# Altium PCB Clock-v1.0.PcbDoc (part 1 of 2)
Units mm, origin at the board's own origin, x right, y up, seen from the top; angles counter-clockwise.
Board outline 85 x 65 mm, 2 copper layers (Top Layer, Bottom Layer), stack 1.448 mm thick; 101 components, 70 nets, 411 pads, 177 vias.
Unrouted connection lines stored in the file: 143.
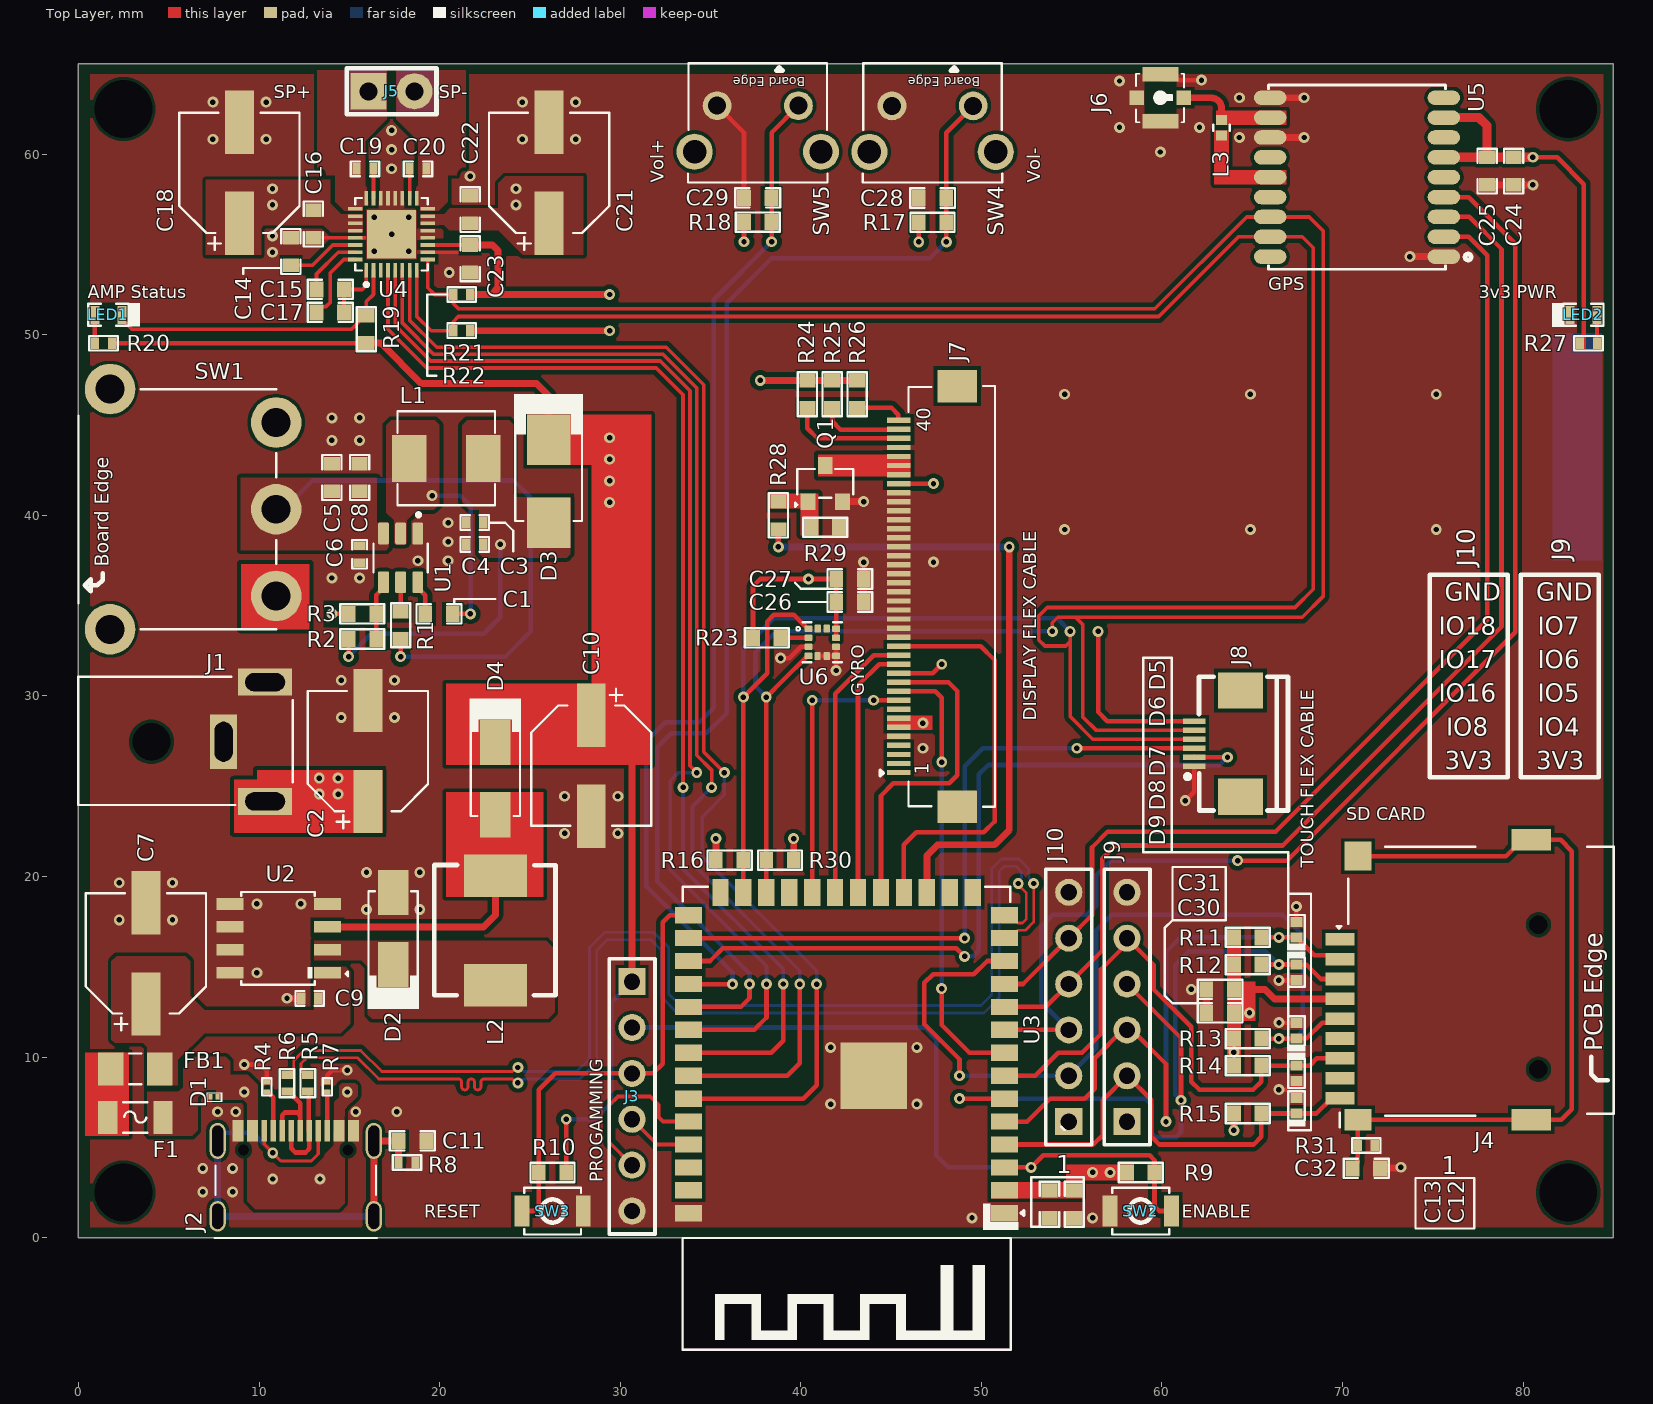
[diagram p0: Top Layer view]
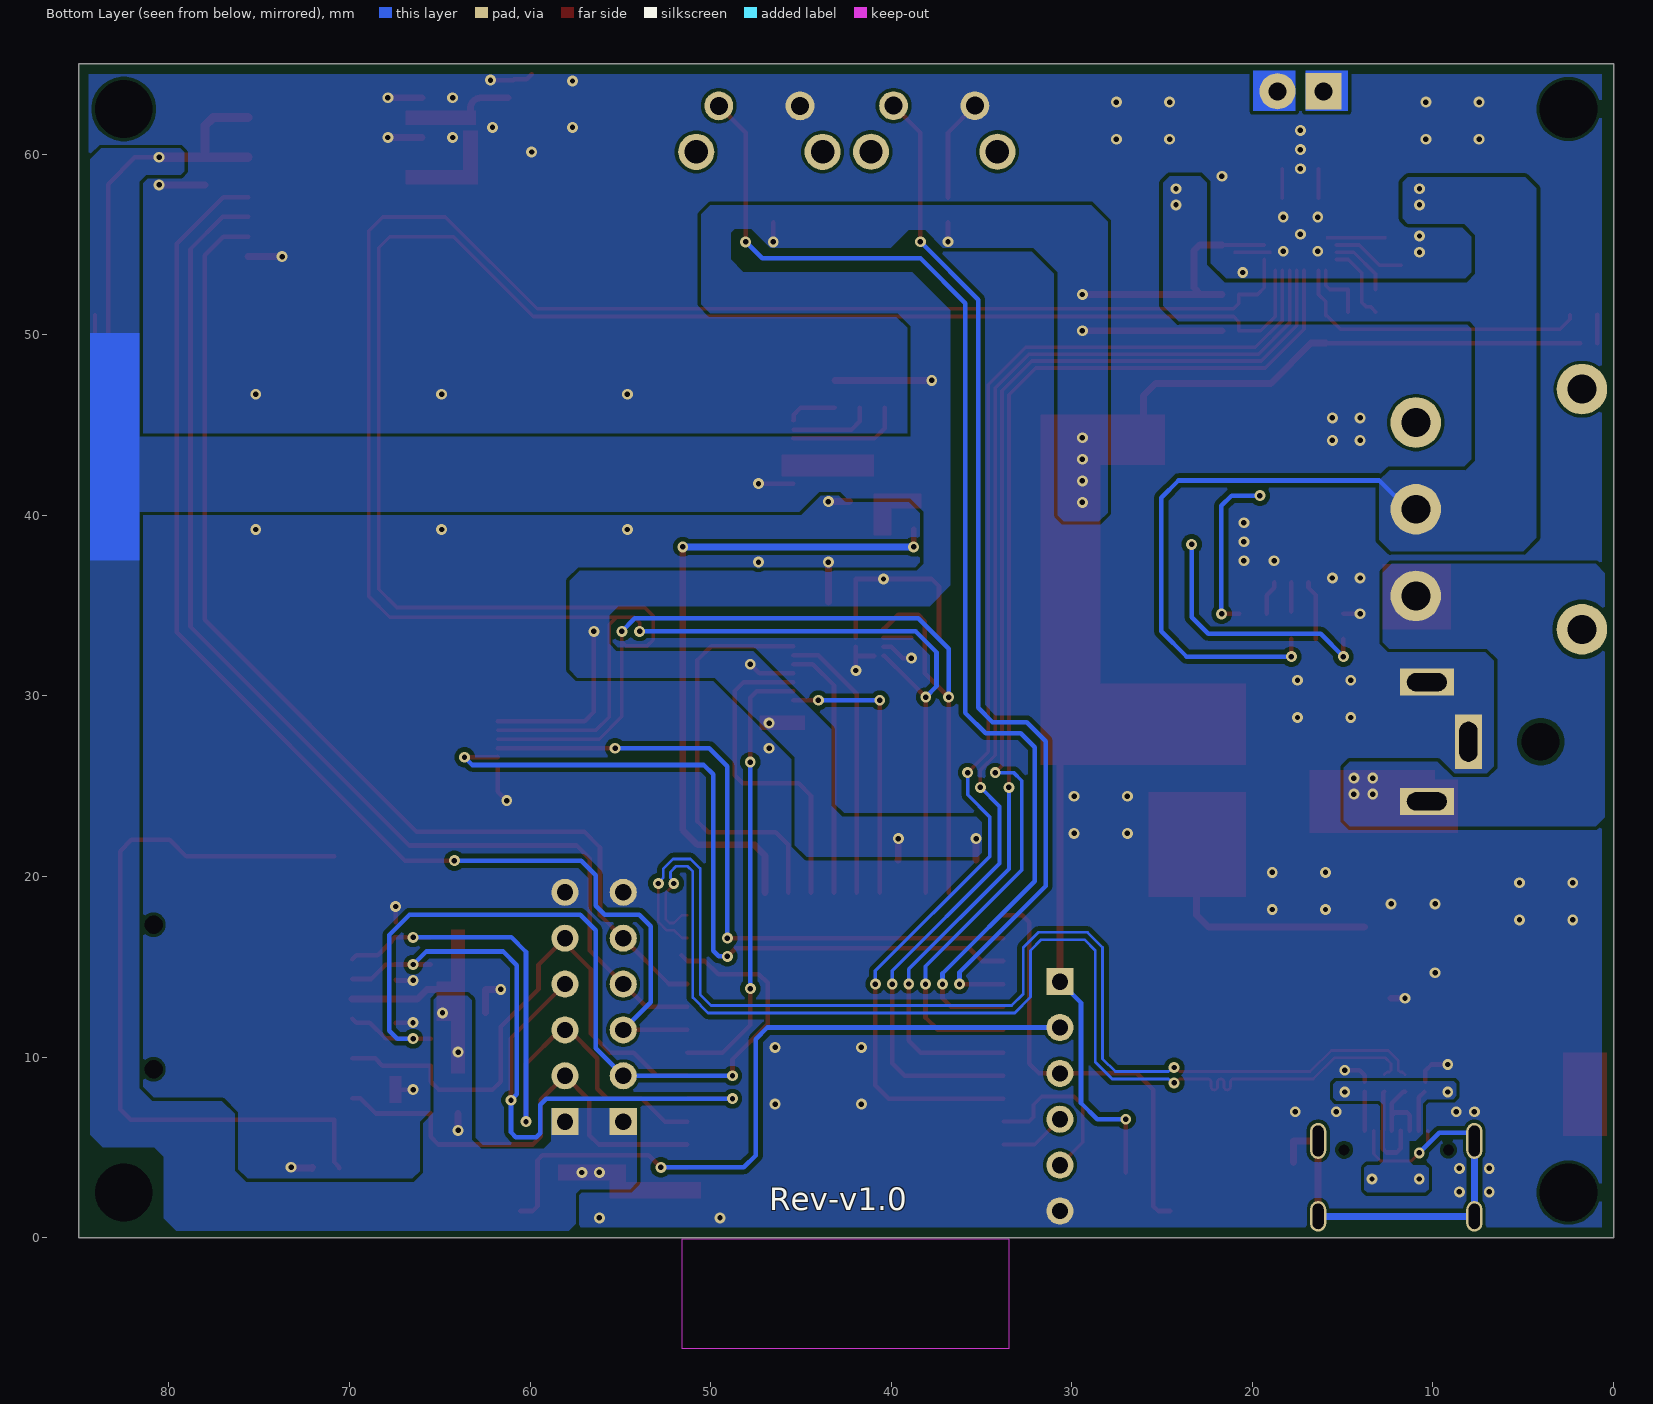
[diagram p1: Bottom Layer view, seen from below]
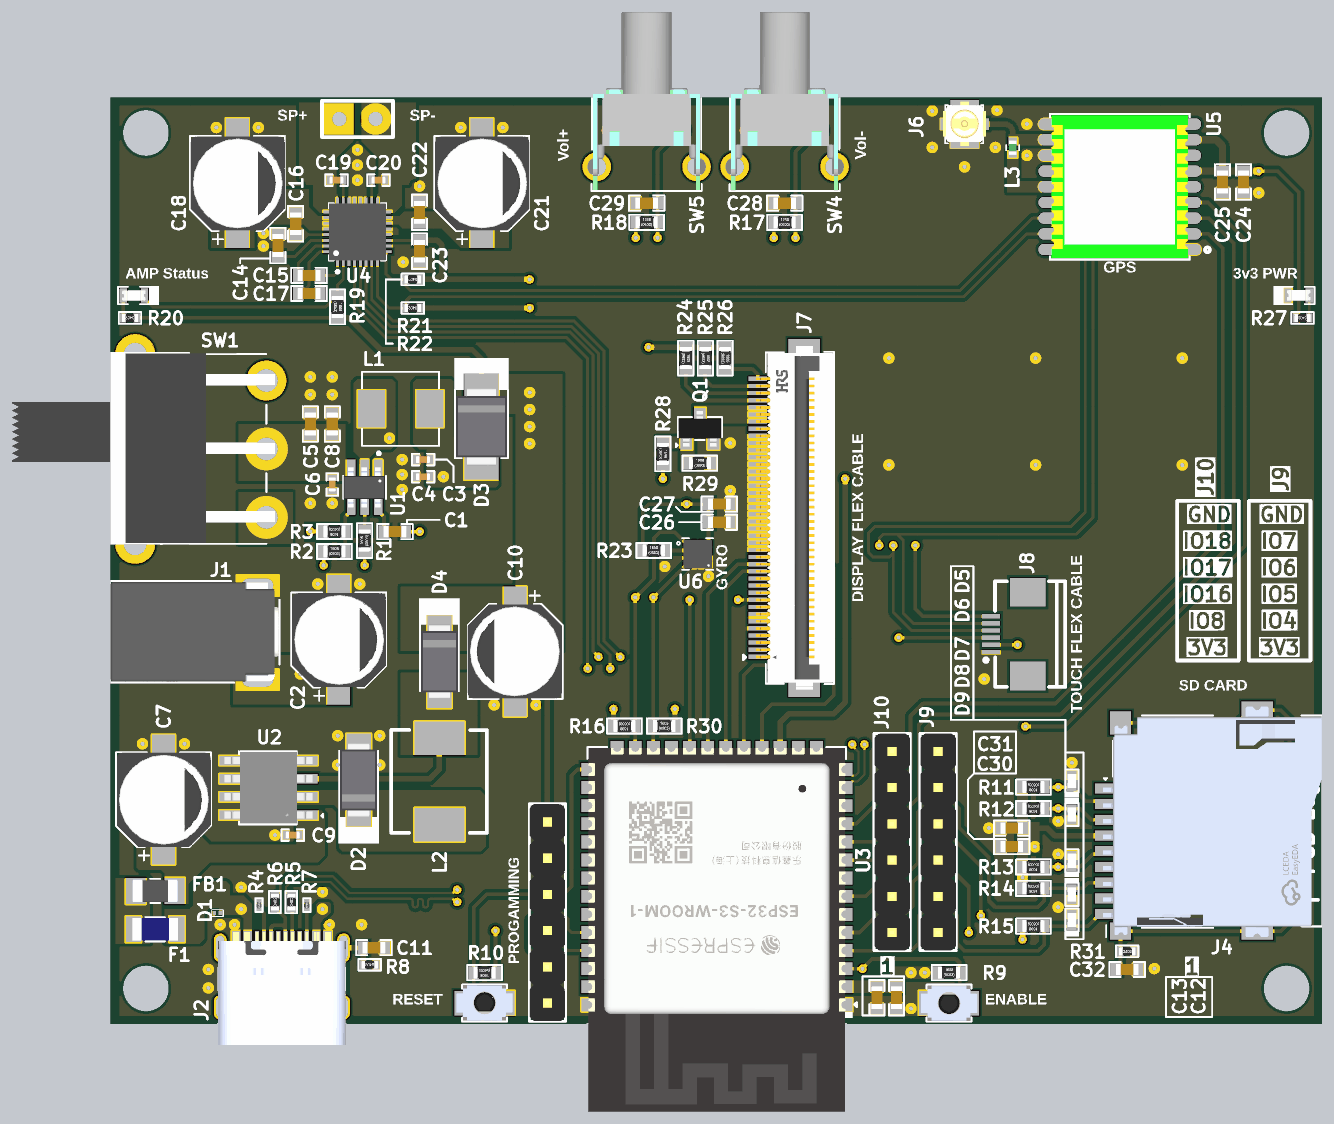
[diagram p3: 3D render of the assembled board from above, using the file's embedded part models]

## Layer stack, top to bottom
Top Solder: solder mask 0.0762, Solder Resist, Dk 3.5
Top Layer: signal copper 0.254
Dielectric 1: core 0.9398, FR-4, Dk 4.6
Bottom Layer: signal copper 0.254
Bottom Solder: solder mask 0.0762, Solder Resist, Dk 3.5

## Board outline
0,0 85,0 85,65 0,65

## Design rules (kind name [scope] priority, off if disabled: settings)
Clearance [All] p1: gap=0.254 ignorepadtopadclearanceinfootprint=TRUE except(0: Arc-Hole Track-Hole SMDPad-Hole THPad-Hole Via-Hole Fill-Hole Poly-Hole Region-Hole Text-Hole; 0.152: Arc-SMDPad Track-SMDPad; 0.178: Track-Track Track-Fill SMDPad-Fill THPad-Poly; 0.203: Arc-Arc Arc-Track SMDPad-Poly SMDPad-Region Fill-Fill Fill-Poly Fill-Region Poly-Poly Poly-Region Region-Region)
DiffPairsRouting [InDifferentialPair('USB')] p1: maxlimit=0.254 minlimit=0.254 mostfreqgap=0.254 toplayer_minwidth=0.152 toplayer_maxwidth=0.152 toplayer_prefwidth=0.152 bottomlayer_minwidth=0.152 bottomlayer_maxwidth=0.152 bottomlayer_prefwidth=0.152 impedanceprofiledriven=TRUE impedanceprofileid={8EBC020C-B750-4E44-98D9-076AFBDF1667} impedanceprofilevalue=90.000000 maxuncoupledlength=12.7
HoleSize [All] p1: absolutevalues=TRUE maxlimit=3.81 minlimit=0.025 maxpercent=80.000 minpercent=20.000
MatchedLengths "Schematic Matched Net Lengths" [InNetClass('RS485')] p1: tolerance=0.508 checknetsindiffpair=TRUE checkdiffpairvsdiffpair=FALSE checkxsignals=FALSE checkothers=FALSE
MaxMinImpedance "Schematic Impedance Constraint" [InNetClass('RS485')] p1: minimum=115.0 maximum=120.0
MinimumSolderMaskSliver [All] p1: minsoldermaskwidth=0
PolygonConnect [All] p1: connectstyle=Direct reliefconductorwidth=0.381 reliefentries=4 polygonreliefangle="45 Angle" airgapwidth=0.254
RoutingVias [All] p1: holewidth=0.3 width=0.6 viastyle="Through Hole" minholewidth=0.3 minwidth=0.6 maxholewidth=0.3 maxwidth=0.6
SilkToSilkClearance [All] p1: silktosilkclearance=0
SilkToSolderMaskClearance [IsPad] p1: minsilkscreentomaskgap=0 clearancetoexposedcopper=TRUE
SolderMaskExpansion [All] p1: expansion=0.102 istentingtop=FALSE
UnRoutedNet [All] p1: checkbadconnections=TRUE
Width [All] p1: maxlimit=1.524 minlimit=0.178 preferedwidth=0.254 minimp=50.000000 maximp=50.000000 favimp=50.000000
24 further rules are at their usual default settings.

## Classes and differential pairs
differential pair class RS485_LINES: USB
net class RS485: USB_N USB_P
component class U_Sensor_Sheet: C24 C25 C26 C27 J6 L3 R23 U5 U6
component class U_Power_Sheet: C1 C2 C3 C4 C5 C6 C7 C8 C9 C10 C11 D1 D2 D3 D4 F1 FB1 J1 J2 L1 L2 LED2 R1 R2 R3 R4 R5 R6 R7 R8 R27 SW1 U1 U2
component class U_LCD_Sheet: J7 J8 Q1 R24 R25 R26 R28 R29
component class U_Controller_Sheet: C12 C13 C28 C29 C30 C31 C32 D5 D6 D7 D8 D9 J3 J4 J9 J10 R9 R10 R11 R12 R13 R14 R15 R16 R17 R18 R30 R31 SW2 SW3 SW4 SW5 U3
component class U_Amplifier_Sheet: C14 C15 C16 C17 C18 C19 C20 C21 C22 C23 J5 LED1 R19 R20 R21 R22 U4
differential pair USB: +USB_P -USB_N

## Components (designator, comment, footprint, x,y, rotation, side; value= is the part's Value field where it differs from the comment)
C1 "0.1uF" Cap-0603 19.964,34.544 r0 top locked
C2 "100uF" RVT1H101M0607 16.027,26.955 r90 top locked
C3 "22uF" Cap-0402 21.942,39.594 r0 top locked
C4 "22uF" Cap-0402 21.942,38.394 r0 top locked
C5 "10uF" Cap-0603 14.034,42.092 r270 top locked
C6 "100nF" cap-0402 15.57,37.846 r90 top locked
C7 "100uF" RVT1H101M0607 3.734,15.748 r90 top locked
C8 "10uF" Cap-0603 15.57,42.092 r270 top locked
C9 "100nF" cap-0402 12.802,13.259 r0 top locked
C10 "100uF" RVT1H101M0607 28.397,26.137 r270 top locked
C11 "4.7uF" Cap-0603 18.491,5.361 r180 top locked
C12 "1uF" Cap-0603 55.143,1.859 r90 top locked
C13 "0.1uF" Cap-0603 53.772,1.859 r90 top locked
C14 "1uF" Cap-0603 11.76,54.61 r90 top locked
C15 "1uF" Cap-0603 13.945,52.51 r180 top locked
C16 "0.1uF" Cap-0603 13.005,56.134 r270 top locked
C17 "1uF" Cap-0603 13.945,51.24 r180 top locked
C18 "100uF" RVT1H101M0607 8.915,58.97 r90 top locked
C19 "220nF" Cap-0402 15.869,59.191 r180 top locked
C20 "220nF" Cap-0402 18.808,59.191 r0 top locked
C21 "100uF" RVT1H101M0607 26.06,58.97 r90 top locked
C22 "0.1uF" Cap-0603 21.692,56.932 r90 top locked
C23 "1uF" Cap-0603 21.692,54.208 r90 top locked
C24 "10uF" Cap-0603 79.477,59.064 r90 top locked
C25 "1uF" Cap-0603 78.003,59.064 r90 top locked
C26 "0.1uF" Cap-0603 42.719,35.201 r0 top locked
C27 "1uF" Cap-0603 42.719,36.474 r0 top locked
C28 "0.1uF" Cap-0603 47.298,57.574 r0 top locked
C29 "0.1uF" Cap-0603 37.618,57.579 r0 top locked
C30 "1uF" Cap-0603 63.221,12.454 r0 top locked
C31 "0.1uF" Cap-0603 63.221,13.749 r0 top locked
C32 "4.7uF" Cap-0603 71.318,3.835 r0 top locked
D1 "VS3V3BC1HST15R" VS3V3BC1HST15R 7.709,7.795 r270 top locked
D2 "SS36" SMA 17.424,17.12 r90 top locked
D3 "" SMB_ 26.035,41.894 r90 top locked
D4 "SS36" SMA 23.089,25.419 r270 top locked
D5 "ESD9X5VU" DFN1006-2L_ 67.444,17.053 r90 top locked
D6 "ESD9X5VU" DFN1006-2L_ 67.444,14.702 r270 top locked
D7 "ESD9X5VU" DFN1006-2L_ 67.444,11.453 r90 top locked
D8 "ESD9X5VU" DFN1006-2L_ 67.444,9.102 r270 top locked
D9 "ESD9X5VU" DFN1006-2L_ 67.444,7.303 r90 top locked
F1 "FUSE" "Fuse 1206 (3216 Metric)" 3.15,6.655 r180 top locked
FB1 "100MHz" IND-1206 3.15,9.347 r0 top locked
J1 "DC-0360-2.5" DC-0360-2.5 8.039,27.463 r0 top locked
J2 "TYPE-C-31-M-12" TYPE-C-31-M-12_ 12.034,3.556 r0 top locked
J3 "C37208" HDR1X6_ 30.658,14.178 r270 top locked
J4 "GT-TF003-H0185-02" GT-TF003-H0185-02 75.348,14.278 r90 top locked
J5 "2P THrough Hole Pads" "2P THrough Hole Pads" 17.339,63.483 r0 top locked
J6 "20579-001E" IPEX-1 61.214,63.126 r90 top locked
J7 "FH12-40S-0.5SH(55)" FH12-40S-0.5SH(55) 47.041,35.509 r90 top locked
J8 "FPC-05F-6PH20" FPC-05F-6PH20 64.355,30.298 r90 top locked
J9 "C37208" HDR1X6_ 58.064,6.426 r90 top locked
J10 "C37208" HDR1X6_ 54.839,6.426 r90 top locked
L1 "3.3uH" FXL0530-3R3-M 20.362,43.16 r0 top locked
L2 "47uH" SMMS0650-470M 23.089,17.016 r90 top locked
L3 "47nH" LQG15HS47NJ02D 63.297,61.467 r90 top locked
LED1 "RED" LED-0603 1.663,51.105 r0 top locked
LED2 "" LED-0603 83.337,51.105 r180 top locked
Q1 "FDN335N" SOT-23 41.351,41.759 r0 top locked
R1 "10K" Res-0603 17.841,33.914 r270 top locked value=10kR
R2 "33.2K" Res-0603 15.723,33.152 r180 top locked
R3 "10K" Res-0603 15.723,34.549 r0 top locked value=10kR
R4 "0R" Res-0402 11.55,8.56 r90 top locked
R5 "0R" Res-0402 12.7,8.56 r90 top locked
R6 "5.1k" Res-0201 10.434,8.352 r270 top locked value=5.1kR
R7 "5.1k" Res-0201 13.784,8.352 r270 top locked value=5.1kR
R8 "1M" Res-0402 18.199,4.162 r180 top locked
R9 "10K" Res-0603 58.826,3.612 r180 top locked value=10kR
R10 "10K" Res-0603 26.254,3.612 r0 top locked value=10kR
R11 "3.3K" Res-0603 64.745,16.628 r0 top locked
R12 "3.3K" Res-0603 64.745,15.127 r0 top locked
R13 "3.3K" Res-0603 64.745,11.028 r0 top locked
R14 "3.3K" Res-0603 64.745,9.527 r0 top locked
R15 "3.3K" Res-0603 64.745,6.878 r0 top locked
R16 "10K" Res-0603 36.058,20.909 r0 top locked value=10kR
R17 "10K" Res-0603 47.298,56.228 r180 top locked value=10kR
R18 "10K" Res-0603 37.618,56.233 r180 top locked value=10kR
R19 "10K" Res-0603 15.939,50.3 r90 top locked value=10kR
R20 "200R" Res-0402 1.383,49.53 r180 top locked
R21 "2.4k" Res-0402 21.222,50.224 r180 top locked
R22 "2.4k" Res-0402 21.222,52.231 r180 top locked
R23 "10K" Res-0603 38.118,33.22 r180 top locked value=10kR
R24 "10K" Res-0603 40.361,46.711 r90 top locked value=10kR
R25 "10K" Res-0603 41.732,46.711 r90 top locked value=10kR
R26 "10K" Res-0603 43.116,46.711 r90 top locked value=10kR
R27 "200R" Res-0402 83.617,49.53 r180 top locked
R28 "3.3K" Res-0603 38.76,39.997 r90 top locked
R29 "10K" Res-0603 41.351,39.341 r180 top locked value=10kR
R30 "10K" Res-0603 38.852,20.909 r180 top locked value=10kR
R31 "1M" Res-0402 71.318,5.105 r0 top locked
SW1 "" SS-12D11L5 6.35,40.34 r90 top locked
SW2 "B3U-1000P" B3U-1000P 58.826,1.478 r0 top locked
SW3 "B3U-1000P" B3U-1000P 26.254,1.478 r180 top locked
SW4 "RED" "PTS645VK83-2 LFS_" 47.298,61.404 r180 top locked
SW5 "RED" "PTS645VK83-2 LFS_" 37.618,61.409 r180 top locked
U1 "TPS565201DDCR" TPS565201DDCR 17.841,37.644 r270 top locked
U2 "AP1509-33SG-13" SOP-8L 11.1,16.578 r180 top locked
U3 "ESP32-S3-WROOM-1-N16R8" "41-SMD Module" 42.54,10.231 r180 top locked
U4 "TAS5720MRSMR" TAS5720M 17.339,55.57 r90 top locked
U5 "ATGM336H-5N31" ATGM336H 70.801,58.726 r180 top locked
U6 "LIS2DH12TR" PQFN50P200X200100-12N 41.192,32.97 r0 top locked

## Footprints (in the part's own frame and the unit in brackets; to place one, negate y for a bottom-side part, rotate by r counter-clockwise, add the part's x,y. Pads: shape width x height; smd on the part's side, far side on the other; paste and mask are expansions set on the pad)
"2P THrough Hole Pads" [mm]
  rect 2x2 hole 1: 1(-1.27,0)
  round 2 hole 1: 2(1.27,0)
  silkscreen extent -2.49,-1.27 2.49,1.27
"41-SMD Module" [mm]
  rect 1.5x0.9 smd: 1(-8.75,8.88) 2(-8.75,7.61) 3(-8.75,6.34) 4(-8.75,5.07) 5(-8.75,3.8) 6(-8.75,2.53) 7(-8.75,1.26) 8(-8.75,-0.01) 9(-8.75,-1.28) 10(-8.75,-2.55) 11(-8.75,-3.82) 12(-8.75,-5.09) 13(-8.75,-6.36) 14(-8.75,-7.63) 27(8.75,-7.63) 28(8.75,-6.36) 29(8.75,-5.09) 30(8.75,-3.82) 31(8.75,-2.55) 32(8.75,-1.28) 33(8.75,-0.01) 34(8.75,1.26) 35(8.75,2.53) 36(8.75,3.8) 37(8.75,5.07) 38(8.75,6.34) 39(8.75,7.61) 40(8.75,8.88)
  rect 0.9x1.5 smd: 15(-6.98,-8.88) 16(-5.71,-8.88) 17(-4.44,-8.88) 18(-3.17,-8.88) 19(-1.9,-8.88) 20(-0.63,-8.88) 21(0.64,-8.88) 22(1.91,-8.88) 23(3.18,-8.88) 24(4.45,-8.88) 25(5.72,-8.88) 26(6.99,-8.88)
  rect 3.7x3.7 smd: 41(-1.5,1.26)
  Keep-Out Layer region: -9.042,10.287 9.042,10.287 9.042,16.383 -9.042,16.383
  silkscreen extent -9.8,-9.2 9.09,16.43, body extent -9.01,-9.14 9.01,16.37, height 3.16
ATGM336H [mm]
  oval 1.8x0.8 smd paste+0 mask+0.051: 1(-4.811,4.4) 2(-4.811,3.3) 3(-4.811,2.2) 4(-4.811,1.1) 5(-4.811,0) 6(-4.811,-1.1) 7(-4.811,-2.2) 8(-4.811,-3.3) 9(-4.811,-4.4) 10(4.811,-4.4) 11(4.811,-3.3) 12(4.811,-2.2) 13(4.811,-1.1) 14(4.811,0) 15(4.811,1.1) 16(4.811,2.2) 17(4.811,3.3) 18(4.811,4.4)
  silkscreen extent -6.32,-5.1 4.9,5.1, body extent -4.8,-5 4.8,5, height 2.61
B3U-1000P [mm] "SWITCH TACTILE SPST-NO 0.05A 12V"
  rect 0.82x1.72 smd: 1(-1.7,0) 2(1.7,0)
  silkscreen extent -1.57,-1.3 1.57,1.3, body extent -2,-1.26 2,1.24, height 1.6
Cap-0402 [mil]
  rect 18x25 smd mask+2.36: 1(-18.5,0) 2(18.5,0)
  silkscreen extent -31,-16 31,16, body extent -20,-10 20,10, height 19
cap-0402 [mil]
  rect 18x25 smd mask+2.36: 1(-18.5,0) 2(18.5,0)
  silkscreen extent -31,-16 31,16, body extent -20,-10 20,10, height 19
Cap-0603 [mil]
  rect 30x35 smd mask+2.36: 1(-30,0) 2(30,0)
  silkscreen extent -49,-21 49,21, body extent -32,-16 31,16, height 34
DC-0360-2.5 [mm]
  rect 1.5x3 hole 1 slot 2.2 at 90 deg mask+0.05: 2(0,0)
  rect 3x1.5 hole 1 slot 2.2 at 0 deg mask+0.05: 3(2.3,3.3) 4(2.3,-3.3)
  round 0 hole 2.1 unplated mask+0.05: MH(-4,0)
  silkscreen extent -8.05,-3.51 3.84,3.61, body extent -8.01,-3.45 3.79,3.56, height 9.65
DFN1006-2L_ [mm]
  rect 0.55x0.66 smd: 1(-0.425,0) 2(0.425,0)
  silkscreen extent -1.14,-0.51 0.81,0.51, body extent -0.5,-0.3 0.5,0.3, height 0.47
FH12-40S-0.5SH(55) [mm]
  rect 0.3x1.3 smd: 1(-9.75,1.625) 2(-9.25,1.625) 3(-8.75,1.625) 4(-8.25,1.625) 5(-7.75,1.625) 6(-7.25,1.625) 7(-6.75,1.625) 8(-6.25,1.625) 9(-5.75,1.625) 10(-5.25,1.625) 11(-4.75,1.625) 12(-4.25,1.625) 13(-3.75,1.625) 14(-3.25,1.625) 15(-2.75,1.625) 16(-2.25,1.625) 17(-1.75,1.625) 18(-1.25,1.625) 19(-0.75,1.625) 20(-0.25,1.625) 21(0.25,1.625) 22(0.75,1.625) 23(1.25,1.625) 24(1.75,1.625) 25(2.25,1.625) 26(2.75,1.625) 27(3.25,1.625) 28(3.75,1.625) 29(4.25,1.625) 30(4.75,1.625) 31(5.25,1.625) 32(5.75,1.625) 33(6.25,1.625) 34(6.75,1.625) 35(7.25,1.625) 36(7.75,1.625) 37(8.25,1.625) 38(8.75,1.625) 39(9.25,1.625) 40(9.75,1.625)
  rect 1.8x2.2 smd: MP1(-11.65,-1.625) MP2(11.65,-1.625)
  silkscreen extent -11.65,-3.71 11.65,2.64, body extent -12.05,-3.65 12.05,1.75, height 4.8
FPC-05F-6PH20 [mm]
  rect 0.3x1.25 smd paste+0 mask+0.05: 1(-4.19,2.575) 2(-3.69,2.575) 3(-3.19,2.575) 4(-2.69,2.575) 5(-2.19,2.575) 6(-1.69,2.575)
  rect 2x2.5 smd paste+0 mask+0.05: MP1(-5.88,0) MP2(0,0)
  silkscreen extent -6.64,-2.62 0.76,3.07
"Fuse 1206 (3216 Metric)" [mm] "0.126\" L x 0.062\" W x 0.026\" H (3.20mm x 1.58mm x 0.65mm)"
  rect 1.06x1.82 smd: 1(-1.528,0) 2(1.528,0)
  silkscreen extent -0.68,-0.85 0.68,0.85, body extent -1.6,-0.79 1.6,0.79, height 0.85
FXL0530-3R3-M [mm]
  rect 1.9x2.6 smd: 1(-2.05,0) 2(2.05,0)
  silkscreen extent -2.7,-2.6 2.7,2.6, body extent -2.85,-2.59 2.85,2.59, height 3
GT-TF003-H0185-02 [mm]
  rect 0.7x1.6 smd: 1(2.25,5.5) 2(1.15,5.5) 3(0.05,5.5) 4(-1.05,5.5) 5(-2.15,5.5) 6(-3.25,5.5) 7(-4.35,5.5) 8(-5.45,5.5) cd(-6.55,5.5)
  round 0 hole 1.02 unplated: MH(-4.95,-5.5) MH1(3.05,-5.5)
  rect 1.2x1.5 smd: S1(-7.75,4.5)
  rect 1.2x2.2 smd: S2(-7.75,-5.1) S3(7.75,-5.1)
  rect 1.6x1.5 smd: S4(6.85,4.5)
  silkscreen extent -8.17,-9.67 7.37,5.67, body extent -8.18,-9.58 8,5.72, height 1.9
HDR1X6_ [mm] "Connector; Header; 6 Position"
  rect 1.5x1.5 hole 0.9: 1(0,0)
  round 1.5 hole 0.9: 2(2.54,0) 3(5.08,0) 4(7.62,0) 5(10.16,0) 6(12.7,0)
  silkscreen extent -1.27,-1.27 13.97,1.27, body extent -1.27,-1.24 13.97,1.25, height 8.54
IND-1206 [mm]
  rect 1.4x1.82 smd: 1(-1.36,0) 2(1.36,0)
  silkscreen extent -0.34,-0.85 0.34,0.85, body extent -1.6,-0.8 1.6,0.8, height 1.3
IPEX-1 [mm]
  rect 0.8x2 smd paste+0 mask+0.05: 1(-1.3,1.3) 3(1.3,1.3)
  rect 0.8x0.8 smd paste+0 mask+0.05: 2(0,2.6) 4(0,0)
  silkscreen extent -1.36,-0.01 1.33,2.66, body extent -1.47,-0.25 1.53,2.85, height 1.26
LED-0603 [mm]
  rect 0.5x1 smd: 1(-0.75,0) 2(0.75,0)
  silkscreen extent -1.12,-0.66 1.75,0.66, body extent -0.82,-0.37 0.82,0.36, height 0.68
LQG15HS47NJ02D [mm]
  rect 0.54x0.6 smd: 1(-0.432,0) 2(0.432,0)
  silkscreen extent -0.18,-0.46 0.18,0.46, body extent -0.5,-0.27 0.5,0.28, height 0.5
PQFN50P200X200100-12N [mm]
  rrect30% 0.45x0.35 smd: 1(-0.765,0.75) 2(-0.765,0.25) 3(-0.765,-0.25) 4(-0.765,-0.75) 7(0.765,-0.75) 8(0.765,-0.25) 9(0.765,0.25) 10(0.765,0.75)
  rrect30% 0.35x0.45 smd: 5(-0.265,-0.765) 6(0.25,-0.765) 11(0.25,0.765) 12(-0.25,0.765)
  silkscreen extent -1.45,-1.1 1.08,1.1, body extent -1,-1 1,1, height 1
"PTS645VK83-2 LFS_" [mm]
  round 1.6 hole 1: 1(-2.25,-1.275) 2(2.25,-1.275)
  round 2 hole 1.3: 3(-3.5,1.275) 3(3.5,1.275)
  silkscreen extent -3.86,-3.63 3.86,2.97, body extent -4.25,-9.58 4.25,2.92, height 7.5
Res-0201 [mm]
  rect 0.27x0.37 smd mask+0.055: 1(-0.275,0) 2(0.275,0)
  silkscreen extent -0.48,-0.25 0.48,0.25, body extent -0.3,-0.15 0.3,0.15, height 0.29
Res-0402 [mil]
  rect 18x25 smd mask+2.17: 1(-18.5,0) 2(18.5,0)
  silkscreen extent -32,-17 32,16, body extent -23,-11 23,11, height 16
Res-0603 [mil]
  rect 30x35 smd: 1(-30,0) 2(30,0)
  silkscreen extent -48,-21 48,21, body extent -31,-17 31,17, height 18
RVT1H101M0607 [mm]
  rect 3.5x1.6 smd: 1(-2.8,0) 2(2.8,0)
  silkscreen extent -4.27,-3.33 3.32,3.33, body extent -3.31,-3.33 3.29,3.27, height 7.94
SMA [mm]
  rect 2.5x1.7 smd: 1(-2,0) 2(2,0)
  silkscreen extent -4.44,-1.42 2.06,1.42, body extent -2.6,-1.3 2.6,1.3, height 2.4
SMB_ [mm]
  rect 2.8x2.4 smd: 1(-2.3,0) 2(2.3,0)
  silkscreen extent -2.21,-1.9 4.82,1.91, body extent -2.7,-1.8 2.7,1.8, height 2.3
SMMS0650-470M [mm]
  rect 2.35x3.5 smd: 1(-3.025,0) 2(3.025,0)
  silkscreen extent -3.6,-3.33 3.62,3.38, body extent -3.75,-3.33 3.75,3.38, height 5
SOP-8L [mm]
  rect 1.5x0.65 smd: 1(-2.7,1.905) 2(-2.7,0.635) 3(-2.7,-0.635) 4(-2.7,-1.905) 5(2.7,-1.905) 6(2.7,-0.635) 7(2.7,0.635) 8(2.7,1.905)
  silkscreen extent -3.82,-2.57 2.08,2.57, body extent -3.1,-2.5 3.1,2.5, height 1.76
SOT-23 [mm] "TRANS NPN 40V 0.6A SOT23"
  rect 0.82x0.92 smd: 1(-0.95,-1) 2(0.95,-1) 3(0,1)
  silkscreen extent -1.68,-1.3 1.55,0.81, body extent -1.5,-1.25 1.5,1.25, height 1.05
SS-12D11L5 [mm]
  round 2.8 hole 1.6: 1(-4.8,-4.6) 2(0,-4.6) 3(4.8,-4.6) 4(-6.65,4.6) 5(6.65,4.6)
  silkscreen extent -6.65,-4.6 6.65,6.35, body extent -6.7,-5.21 6.8,13.24, height 7.1
TAS5720M [mm]
  rect 0.8x0.2 smd mask+0.08: 1(-2,1.4) 2(-2,1) 3(-2,0.6) 4(-2,0.2) 5(-2,-0.2) 6(-2,-0.6) 7(-2,-1) 8(-2,-1.4) 17(2,-1.4) 18(2,-1) 19(2,-0.6) 20(2,-0.2) 21(2,0.2) 22(2,0.6) 23(2,1) 24(2,1.4)
  rect 0.2x0.8 smd mask+0.08: 9(-1.4,-2) 10(-1,-2) 11(-0.6,-2) 12(-0.2,-2) 13(0.2,-2) 14(0.6,-2) 15(1,-2) 16(1.4,-2) 25(1.4,2) 26(1,2) 27(0.6,2) 28(0.2,2) 29(-0.2,2) 30(-0.6,2) 31(-1,2) 32(-1.4,2)
  rect 2.7x2.7 smd: 33(0,0)
  silkscreen extent -2.89,-2.01 2.01,2.01, body extent -2,-2 2,2, height 1
TPS565201DDCR [mm]
  rrect25% 1.2x0.6 smd: 1(-1.35,0.95) 2(-1.35,0) 3(-1.35,-0.95) 4(1.35,-0.95) 5(1.35,0) 6(1.35,0.95)
  silkscreen extent -2.49,-1.5 0.8,1.5, body extent -1.4,-1.48 1.4,1.42, height 1.1
TYPE-C-31-M-12_ [mm]
  rect 0.6x1.2 smd: A1/B12(-3.2,2.375) A4/B9(-2.4,2.375) B1/A12(3.2,2.375) B4/A9(2.4,2.375)
  rect 0.3x1.2 smd: A5(-1.25,2.375) A6(-0.25,2.375) A7(0.25,2.375) A8(1.25,2.375) B5(1.75,2.375) B6(0.75,2.375) B7(-0.75,2.375) B8(-1.75,2.375)
  round 0 hole 0.62 unplated: MH(-2.89,1.305) MH(2.89,1.305)
  oval 0.9x2 hole 0.6 slot 1.7 at 90 deg: S1(4.325,1.805) S4(-4.325,1.805)
  oval 0.9x1.7 hole 0.6 slot 1.4 at 90 deg: S2(4.325,-2.375) S3(-4.325,-2.375)
  silkscreen extent -4.5,-3.57 4.5,0.44, body extent -4.47,-5.01 4.47,2.89, height 3.31
VS3V3BC1HST15R [mm]
  rect 0.31x0.23 smd mask+0.02: 1(0,0) 2(0,-0.4)
  silkscreen extent -0.24,-0.58 0.24,0.24

## Part data
C1 C13 C16 C22 C26 C28 C29 C31: library part CC0603KRX7R0BB104, "CAP CER 0.1UF 100V X7R 0603", Capacitance=100nF, Case Code (Imperial)=0603, Case Code (Metric)=1608, Dielectric=X7R, LCSC Part Number=C113803, Manufacturer=Yageo, Max Operating Temperature=125°C, Min Operating Temperature=-55°C, Package Quantity=4000, Resistor Type=Ceramic, Supplier Part Number 1=311-1523-1-ND, Tolerance=10%, Voltage Rating=100V, Case/Package=0603, Category="Ceramic Capacitors", ComponentLink1Description=https://datasheet.ciiva.com/6277/mlccorderingcode-6277030.pdf?src-supplier=Digi-Key, ComponentLink1URL=https://datasheet.ciiva.com/6277/mlccorderingcode-6277030.pdf?src-supplier=Digi-Key, ComponentLink2Description=https://datasheet.ciiva.com/6277/mlccorderingcode-6277081.pdf?src-supplier=Digi-Key, ComponentLink2URL=https://datasheet.ciiva.com/6277/mlccorderingcode-6277081.pdf?src-supplier=Digi-Key, ComponentLink3Description=https://datasheet.ciiva.com/6277/mlccorderingcode-6277082.pdf?src-supplier=Digi-Key, ComponentLink3URL=https://datasheet.ciiva.com/6277/mlccorderingcode-6277082.pdf?src-supplier=Digi-Key, Depth=0.8mm, Item Type=Capacitor, Lead Free="Lead Free", Length=0.063inch, Manufacturer Part Number=CC0603KRX7R0BB104, Mount="Surface Mount", Packaging="Tape and Reel", Pricing 1="1=0.19000, 10=0.13500, 50=0.07680, 100=0.06370, 500=0.04466, 1000=0.03696 (USD)", RoHS=Yes, RoHS Compliant=Yes, Series=CC, Stock 1=60476, Supplier 1=Digi-Key, Termination=SMD/SMT, Thickness=0.035inch, Voltage Rating (DC)=100V, Weight=7.1E-05oz, Width=0.031inch
C2 C7 C10 C18 C21: library part RVT1H101M0607, "100uF 50V ±20% SMD,D6.3xL7.7mm Aluminum Electrolytic Capacitors - SMD ROHS", LCSC Part Number=C3151829, Manufacturer=ROQANG, Package=SMD,D6.3xL7.7mm, ComponentLink1Description=LCSC, ComponentLink1URL=https://www.lcsc.com/product-detail/Aluminum-Electrolytic-Capacitors-SMD_ROQANG-RVT1H101M0607_C3151829.html, Item Type=Capacitor, Manufacturer Part Number=RVT1H101M0607
C3 C4: library part GRM158R61A226ME15D, "CAP CER 22UF 10V X5R 0402", Case/Package=343Case, Dielectric=1537DielectricType, LCSC Part Number=C3845593, Manufacturer=Murata, Max Operating Temperature=85°C, Min Operating Temperature=-55°C, Supplier Part Number=81-GRM158R61A226ME5D, Tolerance=20%, Voltage Rating=10V, Category="Ceramic Capacitors", Height=800um, Item Type=Capacitor, Length=1mm, Manufacturer Part Number=GRM158R61A226ME15D, Material=4241ConductorMaterial, Pricing="1=0.46, 10=0.225, 50=0.225, 100=0.146, 1000=0.124, 10000=0.106 (USD)", RoHS=Yes, Stock=328944, Supplier=Mouser, Thickness=800um, Voltage Rating (DC)=10V, Width=500um
C5 C8 C24: library part GRM188R6YA106MA73D, "10uF 35V X5R 20% Pad SMD 0603", Case Code (Imperial)=0603, Case Code (Metric)=1608, Dielectric=X5R, LCSC Part Number=C194427, Manufacturer=Murata, Max Operating Temperature=85°C, Min Operating Temperature=-55°C, Tolerance=20%, Voltage Rating=35V, Capacitance=10uF, Case/Package=0603, Category="Ceramic Capacitors", ComponentLink1Description=http://search.murata.co.jp/Ceramy/image/img/A01X/G101/ENG/GRM188R6YA106MA73-01.pdf?src-supplier=Future+Electronics, ComponentLink1URL=http://search.murata.co.jp/Ceramy/image/img/A01X/G101/ENG/GRM188R6YA106MA73-01.pdf?src-supplier=Future+Electronics, ComponentLink2Description=http://search.murata.co.jp/Ceramy/image/img/A01X/G101/ENG/GRM188R6YA106MA73-01.pdf?src-supplier=Digi-Key, ComponentLink2URL=http://search.murata.co.jp/Ceramy/image/img/A01X/G101/ENG/GRM188R6YA106MA73-01.pdf?src-supplier=Digi-Key, ComponentLink3Description=https://www.murata.com/~/media/webrenewal/support/library/catalog/products/capacitor/mlcc/c02e.ashx?la=en-us&src-supplier=Digi-Key, ComponentLink3URL=https://www.murata.com/~/media/webrenewal/support/library/catalog/products/capacitor/mlcc/c02e.ashx?la=en-us&src-supplier=Digi-Key, ComponentLink4Description=http://search.murata.co.jp/Ceramy/image/img/A01X/G101/ENG/GRM188R6YA106MA73-01.pdf?src-supplier=Mouser, ComponentLink4URL=http://search.murata.co.jp/Ceramy/image/img/A01X/G101/ENG/GRM188R6YA106MA73-01.pdf?src-supplier=Mouser, ComponentLink5Description=http://search.murata.co.jp/Ceramy/image/img/A01X/G101/ENG/GRM188R6YA106MA73-01.pdf?src-supplier=TTI, ComponentLink5URL=http://search.murata.co.jp/Ceramy/image/img/A01X/G101/ENG/GRM188R6YA106MA73-01.pdf?src-supplier=TTI, Length=0.063inch, Manufacturer Part Number=GRM188R6YA106MA73D, Mount="Surface Mount", Packaging="Tape and Reel", Pricing 1="1=0.36650, 10=0.23380, 25=0.23160, 100=0.15050, 250=0.14890, 500=0.10700, 1000=0.09270, 3000=0.08640, 6000=0.07720, 15000=0.07140, 30000=0.05840 (USD)", RoHS=Yes, RoHS Compliant=Yes, Stock 1=37601, Supplier 1="Arrow Electronics", Supplier Part Number 1=GRM188R6YA106MA73D, Thickness=0.039inch, Voltage Rating (DC)=35V, Width=0.031inch
C6 C9: library part C1005X7R1H104KT000F, "CAP CER 0.1UF 50V X7R 0402", Dielectric=X7R, LCSC Part Number=C361198, Manufacturer=TDK, Tolerance=10%, Voltage=25V, Category="Ceramic Capacitors", ComponentLink1Description=LCSC, ComponentLink1URL=https://www.lcsc.com/product-detail/Multilayer-Ceramic-Capacitors-MLCC-SMD-SMT_TDK-C1005X7R1H104KT000F_C361198.html, Item Type=Capacitor, Manufacturer Part Number=C1005X7R1H104KT000F, RoHS=No, Supplier 1=Avnet, Supplier Part Number 1=C1005X7R1H104KT000F
C11 C32: library part CC0603KRX7R9BB472, "50V 4.7nF X7R ±10% 0603 Multilayer Ceramic Capacitors MLCC - SMD/SMT ROHS", LCSC Part Number=C106218, Manufacturer=YAGEO, Package=0603, ComponentLink1Description="LCSC Link", ComponentLink1URL=https://www.lcsc.com/product-detail/Multilayer-Ceramic-Capacitors-MLCC-SMD-SMT_YAGEO-CC0603KRX7R9BB472_C106218.html, Item Type=Capacitor, Manufacturer Part Number=CC0603KRX7R9BB472
C12 C14 C15 C17 C23 C25 C27 C30: library part CC0603KRX5R8BB105, "CAP CER 1UF 25V X5R 0603", Case Code (Imperial)=0603, Case Code (Metric)=1608, Dielectric=X5R, LCSC Part Number=C14664, Manufacturer=Yageo, Max Operating Temperature=85°C, Min Operating Temperature=-55°C, Package Quantity=1, Supplier Part Number 1=311-1445-1-ND, Tolerance=10%, Voltage Rating=25V, Capacitance=1uF, Case/Package=0603, Category="Ceramic Capacitors", ComponentLink1Description=https://datasheet.ciiva.com/176/mlccorderingcode-176785.pdf?src-supplier=Digi-Key, ComponentLink1URL=https://datasheet.ciiva.com/176/mlccorderingcode-176785.pdf?src-supplier=Digi-Key, ComponentLink2Description=https://datasheet.ciiva.com/176/mlccorderingcode-176786.pdf?src-supplier=Digi-Key, ComponentLink2URL=https://datasheet.ciiva.com/176/mlccorderingcode-176786.pdf?src-supplier=Digi-Key, ComponentLink3Description=https://datasheet.ciiva.com/176/mlccorderingcode-176787.pdf?src-supplier=Digi-Key, ComponentLink3URL=https://datasheet.ciiva.com/176/mlccorderingcode-176787.pdf?src-supplier=Digi-Key, ComponentLink4Description=https://datasheet.ciiva.com/17436/upy-gphc-x5r-4v-to-50v-12-17436952.pdf?src-supplier=Avnet+Europe, ComponentLink4URL=https://datasheet.ciiva.com/17436/upy-gphc-x5r-4v-to-50v-12-17436952.pdf?src-supplier=Avnet+Europe, ComponentLink5Description=https://datasheet.ciiva.com/7978/1525783-7978171.pdf?src-supplier=Element14, ComponentLink5URL=https://datasheet.ciiva.com/7978/1525783-7978171.pdf?src-supplier=Element14, ComponentLink6Description=https://datasheet.ciiva.com/11586/upy-gphc-x5r-4v-to-50v-12-11586318.pdf?src-supplier=Avnet, ComponentLink6URL=https://datasheet.ciiva.com/11586/upy-gphc-x5r-4v-to-50v-12-11586318.pdf?src-supplier=Avnet, Construction=Flat, Depth=0.8mm, Halogen Free="Halogen Free", Height=0.8mm, Item Type=Capacitor, Lead Free="Lead Free", Length=1.6mm, Manufacturer Part Number=CC0603KRX5R8BB105, Mount="Surface Mount", Number of Pins=2, Packaging="Tape and Reel", Pricing 1="1=0.12000, 10=0.08400, 50=0.04760, 100=0.03940, 500=0.02764, 1000=0.02288 (USD)", Radiation Hardening=No, REACH SVHC="No SVHC", RoHS=Yes, RoHS Compliant=Yes, Series=CC, Stock 1=919939, Supplier 1=Digi-Key, Termination=SMD/SMT, Thickness=0.035inch, Voltage Rating (DC)=25V, Width=0.031inch
C19 C20: library part CC0402KRX5R8BB224, "CAP CER 0.22UF 25V X5R 0402", Case/Package=0402, Dielectric=X5R, LCSC Part Number=C326836, Manufacturer=Yageo, Max Operating Temperature=85°C, Min Operating Temperature=-55°C, Supplier Part Number 1=603-CC402KRX5R8BB224, Tolerance=10%, Voltage Rating=25V, Capacitance=220nF, Category="Ceramic Capacitors", ComponentLink1Description=http://www.yageo.com/documents/recent/UPY-GPHC_X5R_4V-to-50V_25.pdf?src-supplier=Digi-Key, ComponentLink1URL=http://www.yageo.com/documents/recent/UPY-GPHC_X5R_4V-to-50V_25.pdf?src-supplier=Digi-Key, ComponentLink2Description=https://www.yageo.com/upload/media/product/productsearch/datasheet/mlcc/UPY-GPHC_X5R_4V-to-50V_26.pdf?src-supplier=Digi-Key, ComponentLink2URL=https://www.yageo.com/upload/media/product/productsearch/datasheet/mlcc/UPY-GPHC_X5R_4V-to-50V_26.pdf?src-supplier=Digi-Key, ComponentLink3Description=http://www.yageo.com/documents/recent/UPY-GPHC_X5R_4V-to-50V_23.pdf?src-supplier=Digi-Key, ComponentLink3URL=http://www.yageo.com/documents/recent/UPY-GPHC_X5R_4V-to-50V_23.pdf?src-supplier=Digi-Key, Halogen Free="Halogen Free", Lead Free="Lead Free", Length=0.039inch, Manufacturer Part Number=CC0402KRX5R8BB224, Mount="Surface Mount", Packaging="Tape and Reel", Pricing 1="1=0.10000, 10=0.03300, 50=0.03300, 100=0.02700, 1000=0.01500, 10000=0.01300 (USD)", RoHS=Yes, RoHS Compliant=Yes, Stock 1=61266, Supplier 1=Mouser, Thickness=0.022inch, Voltage Rating (DC)=25V, Width=0.02inch